# KiCad board Env-KB60F.kicad_pcb
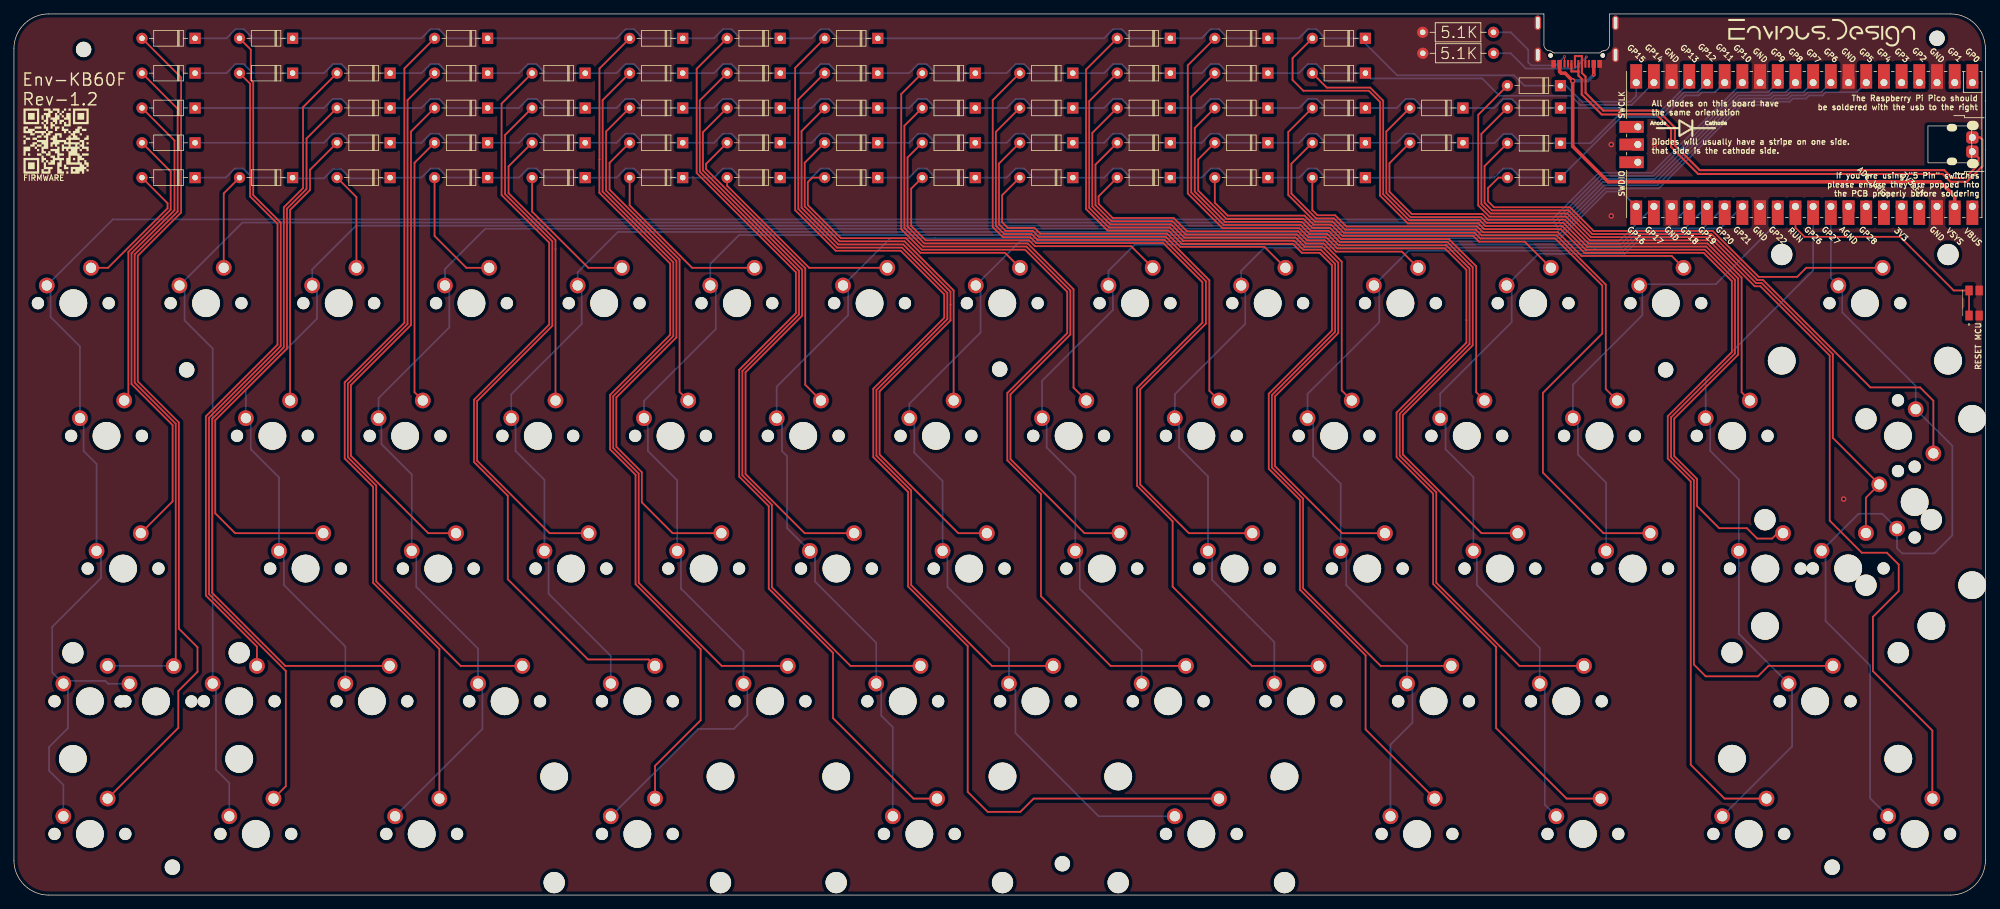
[diagram p0: board, top side]
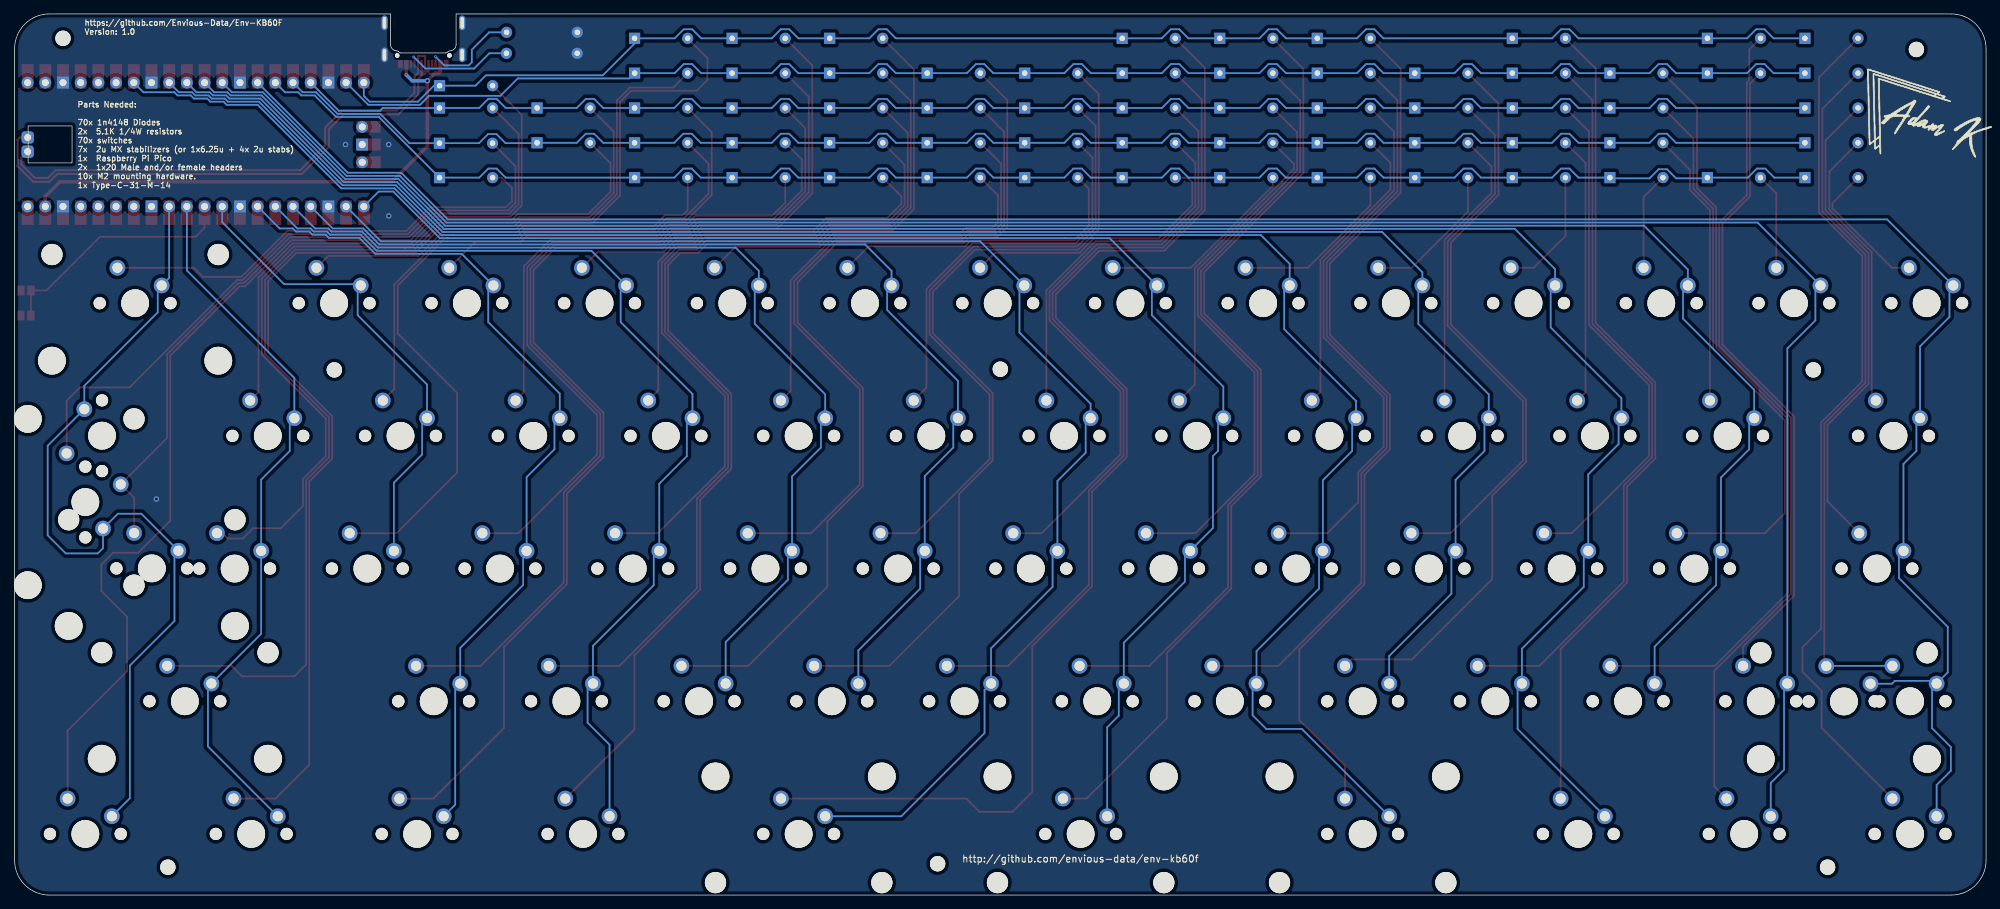
[diagram p1: board, bottom side, seen from below]

Outline 283 x 126.5 mm; copper layers: Top, Bottom. Coordinates in mm from the lower left corner of the outline.
Outline path: rectangle 274.75,110.42 281.05,105.12 ; 219.62,126.5 5,126.5 arc(1.46,125.04) 0,121.5 0,5 arc(1.46,1.46) 5,0 278,0 arc(281.54,1.46) 283,5 283,121.5 arc(281.54,125.04) 278,126.5 229.03,126.5
Stack: Top 0.035mm / dielectric 1.51mm FR4 er 4.5 / Bottom 0.035mm

## Placement (name value [footprint] x y rotation side)
5.1K1  5.1K 0402 Resistor  [R_Axial_DIN0207_L6.3mm_D2.5mm_P10.16mm_Horizontal]  212.4 120.85 180 top
5.1K2  5.1K 0402 Resistor  [R_Axial_DIN0207_L6.3mm_D2.5mm_P10.16mm_Horizontal]  202.22 123.86 0 top
D_1  D  [D_DO-35_SOD27_P7.62mm_Horizontal]  26 103 180 top
D_2  D  [D_DO-35_SOD27_P7.62mm_Horizontal]  40 103 180 top
D_3  D  [D_DO-35_SOD27_P7.62mm_Horizontal]  54 103 180 top
D_4  D  [D_DO-35_SOD27_P7.62mm_Horizontal]  68 103 180 top
D_5  D  [D_DO-35_SOD27_P7.62mm_Horizontal]  82 103 180 top
D_6  D  [D_DO-35_SOD27_P7.62mm_Horizontal]  96 103 180 top
D_7  D  [D_DO-35_SOD27_P7.62mm_Horizontal]  110 103 180 top
D_8  D  [D_DO-35_SOD27_P7.62mm_Horizontal]  124 103 180 top
D_9  D  [D_DO-35_SOD27_P7.62mm_Horizontal]  138 103 180 top
D_10  D  [D_DO-35_SOD27_P7.62mm_Horizontal]  152 103 180 top
D_11  D  [D_DO-35_SOD27_P7.62mm_Horizontal]  166 103 180 top
D_12  D  [D_DO-35_SOD27_P7.62mm_Horizontal]  180 103 180 top
D_13  D  [D_DO-35_SOD27_P7.62mm_Horizontal]  194 103 180 top
D_14  D  [D_DO-35_SOD27_P7.62mm_Horizontal]  222 103 180 top
D_15  D  [D_DO-35_SOD27_P7.62mm_Horizontal]  26 108 180 top
D_16  D  [D_DO-35_SOD27_P7.62mm_Horizontal]  54 108 180 top
D_17  D  [D_DO-35_SOD27_P7.62mm_Horizontal]  68 108 180 top
D_18  D  [D_DO-35_SOD27_P7.62mm_Horizontal]  82 108 180 top
D_19  D  [D_DO-35_SOD27_P7.62mm_Horizontal]  96 108 180 top
D_20  D  [D_DO-35_SOD27_P7.62mm_Horizontal]  110 108 180 top
D_21  D  [D_DO-35_SOD27_P7.62mm_Horizontal]  124 108 180 top
D_22  D  [D_DO-35_SOD27_P7.62mm_Horizontal]  138 108 180 top
D_23  D  [D_DO-35_SOD27_P7.62mm_Horizontal]  152 108 180 top
D_24  D  [D_DO-35_SOD27_P7.62mm_Horizontal]  166 108 180 top
D_25  D  [D_DO-35_SOD27_P7.62mm_Horizontal]  180 108 180 top
D_26  D  [D_DO-35_SOD27_P7.62mm_Horizontal]  194 108 180 top
D_27  D  [D_DO-35_SOD27_P7.62mm_Horizontal]  208 108 180 top
D_28  D  [D_DO-35_SOD27_P7.62mm_Horizontal]  222.01 107.94 180 top
D_29  D  [D_DO-35_SOD27_P7.62mm_Horizontal]  26 113 180 top
D_30  D  [D_DO-35_SOD27_P7.62mm_Horizontal]  54 113 180 top
D_31  D  [D_DO-35_SOD27_P7.62mm_Horizontal]  68 113 180 top
D_32  D  [D_DO-35_SOD27_P7.62mm_Horizontal]  82 113 180 top
D_33  D  [D_DO-35_SOD27_P7.62mm_Horizontal]  96 113 180 top
D_34  D  [D_DO-35_SOD27_P7.62mm_Horizontal]  110 113 180 top
D_35  D  [D_DO-35_SOD27_P7.62mm_Horizontal]  124 113 180 top
D_36  D  [D_DO-35_SOD27_P7.62mm_Horizontal]  138 113 180 top
D_37  D  [D_DO-35_SOD27_P7.62mm_Horizontal]  152 113 180 top
D_38  D  [D_DO-35_SOD27_P7.62mm_Horizontal]  166 113 180 top
D_39  D  [D_DO-35_SOD27_P7.62mm_Horizontal]  180 113 180 top
D_40  D  [D_DO-35_SOD27_P7.62mm_Horizontal]  194 113 180 top
D_41  D  [D_DO-35_SOD27_P7.62mm_Horizontal]  208 113 180 top
D_42  D  [D_DO-35_SOD27_P7.62mm_Horizontal]  222 113 180 top
D_43  D  [D_DO-35_SOD27_P7.62mm_Horizontal]  26 118 180 top
D_44  D  [D_DO-35_SOD27_P7.62mm_Horizontal]  40 118 180 top
D_45  D  [D_DO-35_SOD27_P7.62mm_Horizontal]  54 118 180 top
D_46  D  [D_DO-35_SOD27_P7.62mm_Horizontal]  68 118 180 top
D_47  D  [D_DO-35_SOD27_P7.62mm_Horizontal]  82 118 180 top
D_48  D  [D_DO-35_SOD27_P7.62mm_Horizontal]  96 118 180 top
D_49  D  [D_DO-35_SOD27_P7.62mm_Horizontal]  110 118 180 top
D_50  D  [D_DO-35_SOD27_P7.62mm_Horizontal]  124 118 180 top
D_51  D  [D_DO-35_SOD27_P7.62mm_Horizontal]  138 118 180 top
D_52  D  [D_DO-35_SOD27_P7.62mm_Horizontal]  152 118 180 top
D_53  D  [D_DO-35_SOD27_P7.62mm_Horizontal]  166 118 180 top
D_54  D  [D_DO-35_SOD27_P7.62mm_Horizontal]  180 118 180 top
D_55  D  [D_DO-35_SOD27_P7.62mm_Horizontal]  194 118 180 top
D_56  D  [D_DO-35_SOD27_P7.62mm_Horizontal]  26 123 180 top
D_57  D  [D_DO-35_SOD27_P7.62mm_Horizontal]  40 123 180 top
D_58  D  [D_DO-35_SOD27_P7.62mm_Horizontal]  68 123 180 top
D_59  D  [D_DO-35_SOD27_P7.62mm_Horizontal]  110 123 180 top
D_60  D  [D_DO-35_SOD27_P7.62mm_Horizontal]  166 123 180 top
D_61  D  [D_DO-35_SOD27_P7.62mm_Horizontal]  180 123 180 top
D_62  D  [D_DO-35_SOD27_P7.62mm_Horizontal]  194 123 180 top
D_63  D  [D_DO-35_SOD27_P7.62mm_Horizontal]  222 116.2 180 top
D_590  D  [D_DO-35_SOD27_P7.62mm_Horizontal]  96 122.99 180 top
D_591  D  [D_DO-35_SOD27_P7.62mm_Horizontal]  124 122.99 180 top
G***  LOGO  [diode]  240 110.1 0 top
G***#2  LOGO  [firmware-qrcode]  6.05 108.25 0 top
G***#3  LOGO  [logo]  7.98 112 180 bottom
H1  MountingHole  [MountingHole_2.2mm_M2-MODIFIED]  150.5 4.5 0 top
H2  MountingHole  [MountingHole_2.2mm_M2-MODIFIED]  22.75 4 0 top
H3  MountingHole  [MountingHole_2.2mm_M2-MODIFIED]  10 121.4 0 top
H4  MountingHole  [MountingHole_2.2mm_M2-MODIFIED]  24.8 75.4 0 top
H6  MountingHole  [MountingHole_2.2mm_M2-MODIFIED]  261 4 0 top
H9  MountingHole  [MountingHole_2.2mm_M2-MODIFIED]  141.5 75.5 0 top
H10  MountingHole  [MountingHole_2.2mm_M2-MODIFIED]  237.1 75.4 0 top
H11  MountingHole  [MountingHole_2.2mm_M2-MODIFIED]  276.05 123 0 top
K_1  KEYSW  [MXOnly-1U-NoLED]  8.53 84.97 0 top
K_2  KEYSW  [MXOnly-1U-NoLED]  27.58 84.97 0 top
K_3  KEYSW  [MXOnly-1U-NoLED]  46.62 84.97 0 top
K_4  KEYSW  [MXOnly-1U-NoLED]  65.68 84.97 0 top
K_5  KEYSW  [MXOnly-1U-NoLED]  84.72 84.97 0 top
K_6  KEYSW  [MXOnly-1U-NoLED]  103.78 84.97 0 top
K_7  KEYSW  [MXOnly-1U-NoLED]  122.82 84.97 0 top
K_8  KEYSW  [MXOnly-1U-NoLED]  141.88 84.97 0 top
K_9  KEYSW  [MXOnly-1U-NoLED]  160.93 84.97 0 top
K_10  KEYSW  [MXOnly-1U-NoLED]  179.98 84.97 0 top
K_11  KEYSW  [MXOnly-1U-NoLED]  199.02 84.97 0 top
K_12  KEYSW  [MXOnly-1U-NoLED]  218.07 84.97 0 top
K_13  KEYSW  [MXOnly-1U-NoLED]  237.12 84.97 0 top
K_14  KEYSW  [MXOnly-1U-NoLED]  265.7 84.97 0 top
K_15  KEYSW  [MXOnly-1U-NoLED]  13.29 65.92 0 top
K_16  KEYSW  [MXOnly-1U-NoLED]  37.1 65.92 0 top
K_17  KEYSW  [MXOnly-1U-NoLED]  56.15 65.92 0 top
K_18  KEYSW  [MXOnly-1U-NoLED]  75.2 65.92 0 top
K_19  KEYSW  [MXOnly-1U-NoLED]  94.25 65.92 0 top
K_20  KEYSW  [MXOnly-1U-NoLED]  113.3 65.92 0 top
K_21  KEYSW  [MXOnly-1U-NoLED]  132.35 65.92 0 top
K_22  KEYSW  [MXOnly-1U-NoLED]  151.4 65.92 0 top
K_23  KEYSW  [MXOnly-1U-NoLED]  170.45 65.92 0 top
K_24  KEYSW  [MXOnly-1U-NoLED]  189.5 65.92 0 top
K_25  KEYSW  [MXOnly-1U-NoLED]  208.55 65.92 0 top
K_26  KEYSW  [MXOnly-1U-NoLED]  227.6 65.92 0 top
K_27  KEYSW  [MXOnly-1U-NoLED]  246.65 65.92 0 top
K_28  KEYSW  [MXOnly-1U-NoLED]  270.45 65.95 270 top
K_29  KEYSW  [MXOnly-1U-NoLED]  263.3 46.9 0 top
K_30  KEYSW  [MXOnly-1U-NoLED]  15.67 46.88 0 top
K_31  KEYSW  [MXOnly-1U-NoLED]  41.86 46.88 0 top
K_32  KEYSW  [MXOnly-1U-NoLED]  60.91 46.88 0 top
K_33  KEYSW  [MXOnly-1U-NoLED]  79.96 46.88 0 top
K_34  KEYSW  [MXOnly-1U-NoLED]  99.01 46.88 0 top
K_35  KEYSW  [MXOnly-1U-NoLED]  118.06 46.88 0 top
K_36  KEYSW  [MXOnly-1U-NoLED]  137.11 46.88 0 top
K_37  KEYSW  [MXOnly-1U-NoLED]  156.16 46.88 0 top
K_38  KEYSW  [MXOnly-1U-NoLED]  175.21 46.88 0 top
K_39  KEYSW  [MXOnly-1U-NoLED]  194.26 46.88 0 top
K_40  KEYSW  [MXOnly-1U-NoLED]  213.31 46.88 0 top
K_41  KEYSW  [MXOnly-1U-NoLED]  232.36 46.88 0 top
K_42  KEYSW  [MXOnly-1U-NoLED]  251.41 46.88 0 top
K_43  KEYSW  [MXOnly-1U-NoLED]  272.84 56.42 90 top
K_44  KEYSW  [MXOnly-1U-NoLED]  20.4 27.8 0 top
K_45  KEYSW  [MXOnly-1U-NoLED]  10.91 27.82 0 top
K_46  KEYSW  [MXOnly-1U-NoLED]  32.34 27.82 0 top
K_47  KEYSW  [MXOnly-1U-NoLED]  51.39 27.82 0 top
K_48  KEYSW  [MXOnly-1U-NoLED]  70.44 27.82 0 top
K_49  KEYSW  [MXOnly-1U-NoLED]  89.49 27.82 0 top
K_50  KEYSW  [MXOnly-1U-NoLED]  108.54 27.82 0 top
K_51  KEYSW  [MXOnly-1U-NoLED]  127.59 27.82 0 top
K_52  KEYSW  [MXOnly-1U-NoLED]  146.64 27.82 0 top
K_53  KEYSW  [MXOnly-1U-NoLED]  165.69 27.82 0 top
K_54  KEYSW  [MXOnly-1U-NoLED]  184.74 27.82 0 top
K_55  KEYSW  [MXOnly-1U-NoLED]  203.79 27.82 0 top
K_56  KEYSW  [MXOnly-1U-NoLED]  222.84 27.82 0 top
K_57  KEYSW  [MXOnly-1U-NoLED]  258.56 27.82 0 top
K_58  KEYSW  [MXOnly-1U-NoLED]  10.91 8.78 0 top
K_59  KEYSW  [MXOnly-1U-NoLED]  34.72 8.78 0 top
K_60  KEYSW  [MXOnly-1U-NoLED]  58.53 8.78 0 top
K_61  KEYSW  [MXOnly-1U-NoLED]  129.97 8.78 0 top
K_62  KEYSW  [MXOnly-1U-NoLED]  201.41 8.78 0 top
K_63  KEYSW  [MXOnly-1U-NoLED]  225.22 8.78 0 top
K_64  KEYSW  [MXOnly-1U-NoLED]  249.03 8.78 0 top
K_65  KEYSW  [MXOnly-1U-NoLED]  272.84 8.78 0 top
K_610  KEYSW  [MXOnly-1U-NoLED]  89.49 8.78 0 top
K_612  KEYSW  [MXOnly-1U-NoLED]  170.45 8.78 0 top
kibuzzard-627518B3  G***  [kibuzzard-627518B3]  259.5 123.8 0 top
stab1  MX Stabilizer  [Stabilizer_Cherry_MX_2u]  89.49 8.78 180 top
stab2  MX Stabilizer  [Stabilizer_Cherry_MX_2u]  265.7 84.97 0 top
stab3  MX Stabilizer  [Stabilizer_Cherry_MX_2u]  20.4 27.8 0 top
stab4  MX Stabilizer  [Stabilizer_Cherry_MX_2u]  272.84 56.42 90 top
stab5  MX Stabilizer  [Stabilizer_Cherry_MX_2u]  263.3 46.9 0 top
stab6  MX Stabilizer  [Stabilizer_Cherry_MX_2u]  129.97 8.78 180 top
stab7  MX Stabilizer  [Stabilizer_Cherry_MX_2u]  170.45 8.78 180 top
stab8  MX Stabilizer  [Stabilizer_Cherry_MX_2u]  258.56 27.82 0 top
SW1  EVQ-P7A01P  [Panasonic-EVQ-P7A01P-0-0-MFG]  281.7 85 90 top
U1  Pico  [RPi_Pico_SMD_TH_MODIFIED]  257 107.75 270 top
USB1  HRO-TYPE-C-31-M-14  [USB_C_TYPE-C-31-M-14]  224.32 122.2 180 top

## Library data of the parts
USB1 = -: LCSC: C319148; MPN: U262-161N-4BVC11; Manufacturer: XKB Enterprise

## Footprints (pads in the part's own frame, mm; a bottom-side part is the same pattern mirrored in y, then rotated)
D_DO-35_SOD27_P7.62mm_Horizontal
  rect 1.6x1.6 hole 0.8: 1(0,0)
  oval 1.6x1.6 hole 0.8: 2(7.62,0)
MountingHole_2.2mm_M2-MODIFIED
  round 2.2 hole 2.2 unplated: (0,0)
MXOnly-1U-NoLED
  round 1.75 hole 1.75 unplated: (-5.08,0) (5.08,0)
  round 3.988 hole 3.988 unplated: (0,0)
  round 2.25 hole 1.47: 1(-3.81,2.54) 2(2.54,5.08)
Panasonic-EVQ-P7A01P-0-0-MFG
  rect 1.4x1.05 smd: 1(-1.8,1.05) 1'(1.8,1.05) 2(-1.8,-0.4) 2'(1.8,-0.4)
R_Axial_DIN0207_L6.3mm_D2.5mm_P10.16mm_Horizontal
  round 1.6 hole 0.8: 1(0,0)
  oval 1.6x1.6 hole 0.8: 2(10.16,0)
RPi_Pico_SMD_TH_MODIFIED
  oval 1.35x1.7 smd: (-2.73,24.19) (2.73,24.19)
  oval 1.1x1.5 smd: (-2.42,21.19) (2.42,21.19)
  oval 1.7x1.7 hole 1.02: 1(-8.89,24.13) 2(-8.89,21.59) 4(-8.89,16.51) 5(-8.89,13.97) 6(-8.89,11.43) 7(-8.89,8.89) 9(-8.89,3.81) 10(-8.89,1.27) 11(-8.89,-1.27) 12(-8.89,-3.81) 14(-8.89,-8.89) 15(-8.89,-11.43) 16(-8.89,-13.97) 17(-8.89,-16.51) 19(-8.89,-21.59) 20(-8.89,-24.13) 21(8.89,-24.13) 22(8.89,-21.59) 24(8.89,-16.51) 25(8.89,-13.97) 26(8.89,-11.43) 27(8.89,-8.89) 29(8.89,-3.81) 30(8.89,-1.27) 31(8.89,1.27) 32(8.89,3.81) 34(8.89,8.89) 35(8.89,11.43) 36(8.89,13.97) 37(8.89,16.51) 39(8.89,21.59) 40(8.89,24.13) 41(-2.54,-23.9) 43(2.54,-23.9)
  rect 3.5x1.7 smd: 1(-8.89,24.13) 2(-8.89,21.59) 3(-8.89,19.05) 4(-8.89,16.51) 5(-8.89,13.97) 6(-8.89,11.43) 7(-8.89,8.89) 8(-8.89,6.35) 9(-8.89,3.81) 10(-8.89,1.27) 11(-8.89,-1.27) 12(-8.89,-3.81) 13(-8.89,-6.35) 14(-8.89,-8.89) 15(-8.89,-11.43) 16(-8.89,-13.97) 17(-8.89,-16.51) 18(-8.89,-19.05) 19(-8.89,-21.59) 20(-8.89,-24.13) 21(8.89,-24.13) 22(8.89,-21.59) 23(8.89,-19.05) 24(8.89,-16.51) 25(8.89,-13.97) 26(8.89,-11.43) 27(8.89,-8.89) 28(8.89,-6.35) 29(8.89,-3.81) 30(8.89,-1.27) 31(8.89,1.27) 32(8.89,3.81) 33(8.89,6.35) 34(8.89,8.89) 35(8.89,11.43) 36(8.89,13.97) 37(8.89,16.51) 38(8.89,19.05) 39(8.89,21.59) 40(8.89,24.13)
  rect 1.7x1.7 hole 1.02: 3(-8.89,19.05) 8(-8.89,6.35) 13(-8.89,-6.35) 18(-8.89,-19.05) 23(8.89,-19.05) 28(8.89,-6.35) 33(8.89,6.35) 38(8.89,19.05) 42(0,-23.9)
  rect 1.7x3.5 smd: 41(-2.54,-23.9) 42(0,-23.9) 43(2.54,-23.9)
  rrect 1.75x1.75 hole 1: TP2(1.016,24.125) TP3(-1.016,24.125)
Stabilizer_Cherry_MX_2u
  round 3.048 hole 3.048 unplated: (-11.938,6.985) (11.938,6.985)
  round 3.988 hole 3.988 unplated: (-11.938,-8.255) (11.938,-8.255)
USB_C_TYPE-C-31-M-14
  oval 1.2x2.4 smd: (-5.675,1.58) (-5.675,-3.02) (5.675,1.58) (5.675,-3.02)
  round 0.65 hole 0.65 unplated: (-3.75,1.66) (3.75,1.66)
  rect 0.6x1.1 smd: A1(-3.3,2.86) A4(-2.45,2.86) A9(2.45,2.86) A12(3.3,2.86) B1(3.3,2.86) B4(2.45,2.86) B9(-2.45,2.86) B12(-3.3,2.86)
  rect 0.3x1.1 smd: A5(-1.25,2.86) A6(-0.25,2.86) A7(0.25,2.86) A8(1.25,2.86) B5(1.75,2.86) B6(0.75,2.86) B7(-0.75,2.86) B8(-1.75,2.86)
  oval 0.9x2.1 hole 0.5x1.7: S1(-5.575,1.58) S1(-5.575,-3.02) S1(5.575,1.58) S1(5.575,-3.02)

## Nets
GND: 5.1K1.2 5.1K2.1 SW1.2 SW1.2' U1.3 U1.8 U1.13 U1.18 U1.23 U1.28 U1.38 USB1.A1 USB1.A12 USB1.B1 USB1.B12 USB1.S1
VBUS: U1.39 USB1.A4 USB1.A9 USB1.B4 USB1.B9
col0: K_1.1 K_15.1 K_30.1 K_44.1 K_45.1 K_58.1 U1.14
col1: K_2.1 K_46.1 K_59.1 U1.12
col2: K_3.1 K_16.1 K_31.1 K_47.1 U1.11
col3: K_4.1 K_17.1 K_32.1 K_48.1 K_60.1 U1.10
col4: K_5.1 K_18.1 K_33.1 K_49.1 U1.9
col5: K_6.1 K_19.1 K_34.1 K_50.1 K_610.1 U1.7
col6: K_7.1 K_20.1 K_35.1 K_51.1 K_61.1 U1.21
col7: K_8.1 K_21.1 K_36.1 K_52.1 K_612.1 U1.22
col8: K_9.1 K_22.1 K_37.1 K_53.1 U1.24
col9: K_10.1 K_23.1 K_38.1 K_54.1 U1.25
col10: K_11.1 K_24.1 K_39.1 K_55.1 K_62.1 U1.26
col11: K_12.1 K_25.1 K_40.1 K_56.1 K_63.1 U1.27
col12: K_13.1 K_26.1 K_41.1 U1.29
col13: K_27.1 K_42.1 K_57.1 K_64.1 U1.31
col14: K_14.1 K_28.1 K_29.1 K_43.1 K_65.1 U1.32
row0: D_1.1 D_2.1 D_3.1 D_4.1 D_5.1 D_6.1 D_7.1 D_8.1 D_9.1 D_10.1 D_11.1 D_12.1 D_13.1 D_14.1 U1.15
row1: D_15.1 D_16.1 D_17.1 D_18.1 D_19.1 D_20.1 D_21.1 D_22.1 D_23.1 D_24.1 D_25.1 D_26.1 D_27.1 D_28.1 U1.16
row2: D_29.1 D_30.1 D_31.1 D_32.1 D_33.1 D_34.1 D_35.1 D_36.1 D_37.1 D_38.1 D_39.1 D_40.1 D_41.1 D_42.1 U1.17
row3: D_43.1 D_44.1 D_45.1 D_46.1 D_47.1 D_48.1 D_49.1 D_50.1 D_51.1 D_52.1 D_53.1 D_54.1 D_55.1 U1.19
row4: D_56.1 D_57.1 D_58.1 D_59.1 D_60.1 D_61.1 D_62.1 D_63.1 D_590.1 D_591.1 U1.20
RUNPIN: SW1.1 SW1.1' U1.30
USB2_N: U1.TP2 USB1.A7 USB1.B7
USB2_P: U1.TP3 USB1.A6 USB1.B6
Net-(5.1K1-Pad1): 5.1K1.1 USB1.A5
Net-(5.1K2-Pad2): 5.1K2.2 USB1.B5
Net-(D_1-Pad2): D_1.2 K_1.2
Net-(D_2-Pad2): D_2.2 K_2.2
Net-(D_3-Pad2): D_3.2 K_3.2
Net-(D_4-Pad2): D_4.2 K_4.2
Net-(D_5-Pad2): D_5.2 K_5.2
Net-(D_6-Pad2): D_6.2 K_6.2
Net-(D_7-Pad2): D_7.2 K_7.2
Net-(D_8-Pad2): D_8.2 K_8.2
Net-(D_9-Pad2): D_9.2 K_9.2
Net-(D_10-Pad2): D_10.2 K_10.2
Net-(D_11-Pad2): D_11.2 K_11.2
Net-(D_12-Pad2): D_12.2 K_12.2
Net-(D_13-Pad2): D_13.2 K_13.2
Net-(D_14-Pad2): D_14.2 K_14.2
Net-(D_15-Pad2): D_15.2 K_15.2
Net-(D_16-Pad2): D_16.2 K_16.2
Net-(D_17-Pad2): D_17.2 K_17.2
Net-(D_18-Pad2): D_18.2 K_18.2
Net-(D_19-Pad2): D_19.2 K_19.2
Net-(D_20-Pad2): D_20.2 K_20.2
Net-(D_21-Pad2): D_21.2 K_21.2
Net-(D_22-Pad2): D_22.2 K_22.2
Net-(D_23-Pad2): D_23.2 K_23.2
Net-(D_24-Pad2): D_24.2 K_24.2
Net-(D_25-Pad2): D_25.2 K_25.2
Net-(D_26-Pad2): D_26.2 K_26.2
Net-(D_27-Pad2): D_27.2 K_27.2
Net-(D_28-Pad2): D_28.2 K_28.2
Net-(D_29-Pad2): D_29.2 K_30.2
Net-(D_30-Pad2): D_30.2 K_31.2
Net-(D_31-Pad2): D_31.2 K_32.2
Net-(D_32-Pad2): D_32.2 K_33.2
Net-(D_33-Pad2): D_33.2 K_34.2
Net-(D_34-Pad2): D_34.2 K_35.2
Net-(D_35-Pad2): D_35.2 K_36.2
Net-(D_36-Pad2): D_36.2 K_37.2
Net-(D_37-Pad2): D_37.2 K_38.2
Net-(D_38-Pad2): D_38.2 K_39.2
Net-(D_39-Pad2): D_39.2 K_40.2
Net-(D_40-Pad2): D_40.2 K_41.2
Net-(D_41-Pad2): D_41.2 K_42.2
Net-(D_42-Pad2): D_42.2 K_29.2 K_43.2
Net-(D_43-Pad2): D_43.2 K_44.2 K_45.2
Net-(D_44-Pad2): D_44.2 K_46.2
Net-(D_45-Pad2): D_45.2 K_47.2
Net-(D_46-Pad2): D_46.2 K_48.2
Net-(D_47-Pad2): D_47.2 K_49.2
Net-(D_48-Pad2): D_48.2 K_50.2
Net-(D_49-Pad2): D_49.2 K_51.2
Net-(D_50-Pad2): D_50.2 K_52.2
Net-(D_51-Pad2): D_51.2 K_53.2
Net-(D_52-Pad2): D_52.2 K_54.2
Net-(D_53-Pad2): D_53.2 K_55.2
Net-(D_54-Pad2): D_54.2 K_56.2
Net-(D_55-Pad2): D_55.2 K_57.2
Net-(D_56-Pad2): D_56.2 K_58.2
Net-(D_57-Pad2): D_57.2 K_59.2
Net-(D_58-Pad2): D_58.2 K_60.2
Net-(D_59-Pad2): D_59.2 K_61.2
Net-(D_60-Pad2): D_60.2 K_62.2
Net-(D_61-Pad2): D_61.2 K_63.2
Net-(D_62-Pad2): D_62.2 K_64.2
Net-(D_63-Pad2): D_63.2 K_65.2
Net-(D_590-Pad2): D_590.2 K_610.2
Net-(D_591-Pad2): D_591.2 K_612.2

Pads without a net: U1 1 2 4 5 6 33 34 35 36 37 40 41 42 43; USB1 A8 B8

## Via types
v1: diameter 0.8, hole 0.4, Top to Bottom, 5 vias
v2: diameter 0.4, hole 0.2, Top to Bottom, 3 vias

## Routing (per net, layer and track width the routed paths; a pad name or vN(x,y) marks a point on that pad's centre or on a via; arc(x,y) is an arc through that point)
GND:
  vias: v1(229.3,107.75) v1(229.3,97.5) v1(235.5,107.75) v1(262.65,56.85)
VBUS: length 77.2
  Top w0.5: v2(226.79,117.77) 226.77,117.78 USB1.A4 ; USB1.A9 221.88,118.22 222.12,117.98 222.67,117.98 v1(223.75,116.9) 223.75,107.5 228.85,102.4 276.5,102.4 278.59,100.31 U1.39
  Bottom w0.5: v2(226.79,117.77) 225.92,116.9 v1(223.75,116.9)
col0: length 346.6
  Bottom w0.25: K_15.1 9.48,78.77 5.25,83 5.25,86.98 ; 12.5,48.77 12.5,45.5 5.5,38.5 5.5,31.96 7.1,30.37 ; K_30.1 11.86,61.89 10,63.75 10,67.94 ; K_58.1 7.1,15.8 5.05,17.85 5.05,21.25 7.75,23.95 7.75,29.71 ; U1.14 235.17,103.7 227.5,103.7 220.8,97 14.2,97 K_1.1 ; 7.48,30.75 13.1,30.75 13.51,30.34 K_44.1
col1: length 320
  Bottom w0.25: K_59.1 30.91,16.09 29,18 29,29.89 ; 28.53,30.37 28.53,78.47 24.5,82.5 24.5,86.78 K_2.1 32.8,96.55 221,96.55 227.7,103.25 235.36,103.25 247.36,115.25 251.8,115.25 U1.12
col2: length 292
  Bottom w0.25: K_3.1 42.81,89.81 49.1,96.1 221.19,96.1 227.89,102.8 235.54,102.8 247.54,114.8 251.99,114.8 252.44,115.25 254.34,115.25 U1.11 ; K_31.1 38.05,59.95 34,64 34,67.75 K_16.1 33.29,72.54 43.5,82.75 43.5,86.83 ; 47.58,30.37 47.58,35.67 38.75,44.5 38.75,48.72
col3: length 298.6
  Bottom w0.25: 57.75,48.77 57.75,44.25 66.63,35.37 66.63,30.37 ; K_32.1 57.1,60.4 52.75,64.75 52.75,68.06 ; K_4.1 61.87,89.86 67.65,95.65 221.38,95.65 228.08,102.35 235.73,102.35 247.73,114.35 252.17,114.35 252.62,114.8 254.53,114.8 254.98,115.25 256.88,115.25 U1.10 ; 67.25,29.74 67.25,23.84 K_60.1 ; K_17.1 52.34,71.34 62.5,81.5 62.5,86.88
col4: length 258
  Bottom w0.25: K_33.1 76.15,59.6 72,63.75 72,67.86 ; 81.5,86.93 81.5,82 71.39,71.89 K_18.1 ; K_5.1 80.91,89.42 86.7,95.2 221.57,95.2 228.27,101.9 235.92,101.9 247.92,113.9 252.36,113.9 252.81,114.35 254.71,114.35 255.16,114.8 257.07,114.8 257.52,115.25 259.42,115.25 U1.9 ; 85.68,30.37 85.68,34.32 76.75,43.25 76.75,48.82
col5: length 275.5
  Bottom w0.25: K_34.1 95.2,59.55 91,63.75 91,67.91 ; 105.29,29.81 105.29,25.82 103.32,23.85 98.21,23.85 K_610.1 ; 95.75,48.87 95.75,44 104.73,35.02 104.73,30.37 ; K_19.1 90.44,70.94 100.75,81.25 100.75,86.73 K_6.1 99.97,90.61 104.1,94.75 221.75,94.75 228.45,101.45 236.1,101.45 248.1,113.45 252.55,113.45 253,113.9 254.9,113.9 255.35,114.35 257.25,114.35 257.7,114.8 259.61,114.8 260.06,115.25 264.5,115.25 U1.7
col6: length 208
  Bottom w0.25: K_61.1 126.16,24.09 124.5,25.75 124.5,29.64 123.78,30.37 123.78,36.22 115,45 115,48.67 K_35.1 110.98,52.69 110.98,63.02 110.25,63.75 110.25,67.7 K_20.1 109.49,72.99 119.75,83.25 119.75,86.78 K_7.1 125.8,94.3 132.2,94.3 220.8,94.3 221.94,94.3 228.64,101 230.73,101 U1.21
col7: length 203
  Bottom w0.25: U1.22 230.4,93.85 144.4,93.85 K_8.1 ; 138.75,86.83 138.75,80.75 128.54,70.54 K_21.1 129.25,67.75 129.25,63.5 133.3,59.45 K_36.1 ; K_612.1 155.71,11.31 143.77,23.25 143.77,29.43 142.83,30.37 142.83,35.42 134,44.25 134,48.72
col8: length 154.1
  Bottom w0.25: 153,48.77 153,44 161.88,35.12 161.88,30.37 ; U1.24 237.33,95.7 232.95,95.7 230.65,93.4 224.55,93.4 160.9,93.4 157.12,89.62 K_9.1 ; K_37.1 152.35,60.15 148.25,64.25 148.25,67.81 ; K_22.1 147.59,73.84 157.75,84 157.75,86.88
col9: length 137.8
  Bottom w0.25: U1.25 239.87,95.7 237.97,95.7 237.52,95.25 233.14,95.25 230.84,92.95 226.95,92.95 179.5,92.95 176.16,89.62 176.16,87.52 ; 180.93,30.37 180.93,36.32 172,45.25 172,48.82 ; K_23.1 166.64,71.89 176.75,82 176.75,86.93 ; 167.25,67.86 167.25,64.25 171.4,60.1 K_38.1
col10: length 143.4
  Bottom w0.25: U1.26 242.41,95.7 240.51,95.7 240.06,95.25 238.15,95.25 237.7,94.8 233.32,94.8 231.02,92.5 200.2,92.5 K_11.1 196,86.73 196,82.25 185.69,71.94 K_24.1 186.5,67.66 186.5,63 190.45,59.05 K_39.1 191.25,48.62 191.25,44.5 199.98,35.77 199.98,30.37 200.75,29.59 200.75,24.75 197.6,21.6 K_62.1
col11: length 125.5
  Bottom w0.25: 210,48.92 210,44.5 219.03,35.47 219.03,30.37 219.75,29.64 219.75,12.97 K_63.1 ; K_40.1 209.5,60 205.5,64 205.5,67.7 K_25.1 204.74,71.99 215,82.25 215,86.78 K_12.1 218.8,92.05 231.21,92.05 233.51,94.35 237.89,94.35 238.34,94.8 240.24,94.8 240.69,95.25 242.6,95.25 243.05,95.7 244.95,95.7 U1.27
col12: length 69.4
  Bottom w0.25: 233.75,87.08 233.75,83.25 223.79,73.29 K_26.1 224.5,67.75 224.5,63.25 228.55,59.2 K_41.1 ; U1.29 253.19,96.59 244.3,87.7 233.5,87.7
col13: length 101.6
  Bottom w0.25: 254.75,30.37 247.6,37.51 K_42.1 247.6,59.65 243.5,63.75 243.5,67.81 ; K_27.1 242.84,74.24 258.27,89.67 U1.31 ; 255.25,29.86 255.25,21.34 K_64.1
col14: length 121.5
  Bottom w0.25: 261.89,87.21 262.45,86.65 262.45,83.65 272.99,73.11 K_28.1 278.25,64.5 278.25,51.65 275.65,49.05 271.05,49.05 270.3,49.8 K_43.1 268.17,54.75 264.8,54.75 K_29.1 ; U1.32 260.81,88.59 K_14.1 ; 260.05,48.88 260.05,39.35 266.45,32.95 266.45,13.9 K_65.1
row0: length 239.2
  Bottom w0.25: 25.9,103 30.4,103 31.7,104.3 32.9,104.3 34.2,103 39.9,103 ; 40,102.9 44.5,102.9 45.8,104.2 47,104.2 48.3,102.9 54,102.9 ; U1.15 244.18,115.25 242.28,115.25 241.83,114.8 239.92,114.8 236.82,111.7 236,111.7 230.7,111.7 D_14.1 216.3,103 215,104.3 213.8,104.3 212.5,103 D_13.1 188.3,103 187,104.3 185.8,104.3 184.5,103 D_12.1 174.3,103 173,104.3 171.8,104.3 170.5,103 D_11.1 160.3,103 159,104.3 157.8,104.3 156.5,103 D_10.1 146.3,103 145,104.3 143.8,104.3 142.5,103 D_9.1 132.3,103 131,104.3 129.8,104.3 128.5,103 D_8.1 118.3,103 117,104.3 115.8,104.3 114.5,103 D_7.1 104.3,103 103,104.3 101.8,104.3 100.5,103 D_6.1 90.3,103 89,104.3 87.8,104.3 86.5,103 D_5.1 76.3,103 75,104.3 73.8,104.3 72.5,103 D_4.1 62.3,103 61,104.3 59.8,104.3 58.5,103 D_3.1
row1: length 234.6
  Bottom w0.25: D_27.1 202.3,108 201,109.3 199.8,109.3 198.5,108 D_26.1 188.3,108 187,109.3 185.8,109.3 184.5,108 D_25.1 174.3,108 173,109.3 171.8,109.3 170.5,108 D_24.1 160.3,108 159,109.3 157.8,109.3 156.5,108 D_23.1 146.3,108 145,109.3 143.8,109.3 142.5,108 D_22.1 132.3,108 131,109.3 129.8,109.3 128.5,108 D_21.1 118.3,108 117,109.3 115.8,109.3 114.5,108 D_20.1 104.3,108 103,109.3 101.8,109.3 100.5,108 D_19.1 90.3,108 89,109.3 87.8,109.3 86.5,108 D_18.1 76.3,108 75,109.3 73.8,109.3 72.5,108 D_17.1 62.3,108 61,109.3 59.8,109.3 58.5,108 D_16.1 48.3,108 47,109.3 45.8,109.3 44.5,108 D_15.1 ; 208.02,107.95 212.52,107.95 213.82,109.25 215.02,109.25 216.32,107.95 222.02,107.95 ; U1.16 241.64,115.25 239.74,115.25 236.64,112.15 230.51,112.15 226.3,107.94 D_28.1
row2: length 230.3
  Bottom w0.25: D_29.1 44.5,113 45.8,114.3 47,114.3 48.3,113 D_30.1 58.5,113 59.8,114.3 61,114.3 62.3,113 D_31.1 72.5,113 73.8,114.3 75,114.3 76.3,113 D_32.1 86.5,113 87.8,114.3 89,114.3 90.3,113 D_33.1 100.5,113 101.8,114.3 103,114.3 104.3,113 D_34.1 114.5,113 115.8,114.3 117,114.3 118.3,113 D_35.1 128.5,113 129.8,114.3 131,114.3 132.3,113 D_36.1 142.5,113 143.8,114.3 145,114.3 146.3,113 D_37.1 156.5,113 157.8,114.3 159,114.3 160.3,113 D_38.1 170.5,113 171.8,114.3 173,114.3 174.3,113 D_39.1 184.5,113 185.8,114.3 187,114.3 188.3,113 D_40.1 198.5,113 199.8,114.3 201,114.3 202.3,113 D_41.1 212.5,113 213.8,114.3 215,114.3 216.3,113 D_42.1 230.15,113 230.55,112.6 236.45,112.6 U1.17
row3: length 225.5
  Bottom w0.25: D_43.1 30.5,118 31.8,119.3 33,119.3 34.3,118 D_44.1 44.5,118 45.8,119.3 47,119.3 48.3,118 D_45.1 58.5,118 59.8,119.3 61,119.3 62.3,118 D_46.1 72.5,118 73.8,119.3 75,119.3 76.3,118 D_47.1 86.5,118 87.8,119.3 89,119.3 90.3,118 D_48.1 100.5,118 101.8,119.3 103,119.3 104.3,118 D_49.1 114.5,118 115.8,119.3 117,119.3 118.3,118 D_50.1 128.5,118 129.8,119.3 131,119.3 132.3,118 D_51.1 142.5,118 143.8,119.3 145,119.3 146.3,118 D_52.1 156.5,118 157.8,119.3 159,119.3 160.3,118 D_53.1 170.5,118 171.8,119.3 173,119.3 174.3,118 D_54.1 184.44,118 185.74,119.3 186.94,119.3 188.24,118 D_55.1 194.76,117.24 210.76,117.24 213.25,114.75 223.5,114.75 224.8,113.45 232.22,113.45 U1.19
row4: length 221.9
  Bottom w0.25: U1.20 232.87,114.74 232.03,113.9 225.1,113.9 222.8,116.2 D_63.1 216.82,116.2 215.33,117.69 198.55,117.69 194,122.24 D_62.1 188.24,123 186.94,124.3 185.74,124.3 184.44,123 D_61.1 174.3,123 173,124.3 171.8,124.3 170.5,123 D_60.1 160.3,123 159,124.3 157.8,124.3 156.5,123 118.31,123 117.01,124.3 115.81,124.3 114.51,123 D_59.1 104.3,123 103,124.3 101.8,124.3 100.5,123 96,123 ; D_56.1 30.5,123 31.8,124.3 33,124.3 34.3,123 D_57.1 58.5,123 59.8,124.3 61,124.3 62.3,123 D_58.1 86.5,123 87.8,124.3 89,124.3 90.3,123 95.99,123
RUNPIN: length 33.2
  Top w0.25: 255.73,96.77 255.73,95.8 257.02,94.5 270.75,94.5 278.45,86.8 SW1.1' SW1.1
USB2_N: length 73.6
  Top w0.3: U1.TP2 282,105.86 282,104.86 280.09,102.95 278.21,102.95 277.09,104.08 241.99,104.08 238.43,107.64 238.43,110.19 235.99,112.62 228.14,112.62 225.6,115.16 225.6,117.51 225.07,118.03 USB1.B7 225.07,120.45 224.07,120.45 USB1.A7
USB2_P: length 77.2
  Top w0.3: 224.57,118.17 USB1.A6 ; 224.57,118.17 224.57,118.25 223.57,118.25 USB1.B6 ; 224.57,118.17 224.57,117.65 225.05,117.17 225.05,114.94 227.91,112.08 235.76,112.08 237.88,109.96 237.88,107.41 241.76,103.53 276.86,103.53 277.99,102.4 280.31,102.4 282.55,104.64 282.55,108.45 282.23,108.77 U1.TP3
Net-(5.1K1-Pad1): length 15.9
  Top w0.15: USB1.A5 225.57,120.09 225.7,120.21 v2(225.7,120.33)
  Bottom w0.25: v2(225.7,120.33) 224.04,118.66 217.04,118.66 214.85,120.85 5.1K1.1
Net-(5.1K2-Pad2): length 14.8
  Top w0.15: v2(222.58,120.36) 222.57,120.35 USB1.B5
  Bottom w0.25: 5.1K2.2 214.87,123.86 217.37,121.36 217.37,119.54 217.8,119.11 221.33,119.11 v2(222.58,120.36)
Net-(D_1-Pad2): length 20.4
  Top w0.25: 11.06,90.06 13.51,90.06 22.05,98.6 22.05,99.33 D_1.2
Net-(D_2-Pad2): length 13.9
  Top w0.25: D_2.2 30.11,100.73 30.11,90.06
Net-(D_3-Pad2): length 14.1
  Top w0.25: 49.17,90.06 49.17,100.22 D_3.2
Net-(D_4-Pad2): length 18.1
  Top w0.25: 68.22,90.06 64.94,90.06 60.38,94.62 D_4.2
Net-(D_5-Pad2): length 21.1
  Top w0.25: 87.26,90.06 82.44,90.06 74.38,98.12 D_5.2
Net-(D_6-Pad2): length 25.6
  Top w0.25: 106.31,90.06 97.35,90.06 88.38,99.03 D_6.2
Net-(D_7-Pad2): length 29
  Top w0.25: D_7.2 102.38,101.83 114.15,90.06 125.37,90.06
Net-(D_8-Pad2): length 40.2
  Top w0.25: D_8.2 114.6,103 113.96,102.36 113.96,99.05 118.71,94.3 128.03,94.3 130.13,92.2 142.27,92.2 144.41,90.06
Net-(D_9-Pad2): length 44.7
  Top w0.25: 163.47,90.06 160.37,93.15 146.56,93.15 145.71,94 130.87,94 128.8,96.08 128.8,101.42 D_9.2
Net-(D_10-Pad2): length 50.8
  Top w0.25: 182.51,90.06 179.52,93.05 167.44,93.05 165.55,94.95 147.32,94.95 146.47,95.8 142.65,95.8 141.85,96.6 141.85,97.1 141.85,100.47 D_10.2
Net-(D_11-Pad2): length 54.5
  Top w0.25: D_11.2 155.7,100.32 155.7,99.22 157.72,97.2 166.47,97.2 168.37,95.3 184.32,95.3 185.62,94 188.16,94 189.78,92.38 199.24,92.38 201.56,90.06
Net-(D_12-Pad2): length 55.7
  Top w0.25: D_12.2 172.38,99.4 174.22,97.55 185.25,97.55 186.55,96.25 189.09,96.25 190.71,94.63 209.49,94.63 210.31,93.8 216.87,93.8 220.62,90.06
Net-(D_13-Pad2): length 61.4
  Top w0.25: 239.67,90.06 237.97,91.75 225.02,91.75 221.62,95.15 210.87,95.15 210.04,95.98 191.27,95.98 189.65,97.6 187.11,97.6 186.38,98.33 D_13.2
Net-(D_14-Pad2): length 67
  Top w0.25: D_14.2 213.1,103 211.6,101.5 211.6,99.6 212.45,98.75 223.35,98.75 226.75,95.35 243.85,95.35 250.45,88.75 255.98,88.75 257.28,90.06 268.24,90.06
Net-(D_15-Pad2): length 40.6
  Top w0.25: D_15.2 22.5,103.88 22.5,98.41 16.43,92.34 16.43,71.6
Net-(D_16-Pad2): length 39.8
  Top w0.25: D_16.2 42.5,104.12 42.5,101.23 39.64,98.37 K_16.2
Net-(D_17-Pad2): length 38.7
  Top w0.25: K_17.2 57.5,72.19 57.5,105.12 D_17.2
Net-(D_18-Pad2): length 41.2
  Top w0.25: D_18.2 71,104.62 71,100.77 77.74,94.03 77.74,92.76 K_18.2
Net-(D_19-Pad2): length 42.9
  Top w0.25: D_19.2 85.5,105.12 85.5,101.27 95.55,91.22 95.55,72.24 K_19.2
Net-(D_20-Pad2): length 45.1
  Top w0.25: K_20.2 113.59,73.25 113.59,89.98 99.35,104.22 99.35,104.97 D_20.2
Net-(D_21-Pad2): length 52.5
  Top w0.25: D_21.2 113.51,105.13 113.51,98.87 118.52,93.85 127.85,93.85 134.89,86.81 K_21.2
Net-(D_22-Pad2): length 57.2
  Top w0.25: K_22.2 152.1,72.85 152.1,86.97 145.52,93.55 130.69,93.55 128.27,95.97 128.27,105.89 D_22.2
Net-(D_23-Pad2): length 64.3
  Top w0.25: D_23.2 141.4,105.02 141.4,96.3 142.35,95.35 146.27,95.35 147.12,94.5 165.36,94.5 171.6,88.26 171.6,72.39 K_23.2
Net-(D_24-Pad2): length 69.5
  Top w0.25: D_24.2 155.25,104.87 155.25,99.04 157.54,96.75 166.29,96.75 168.19,94.85 184.14,94.85 185.44,93.55 187.98,93.55 190.6,90.93 190.6,72.44 K_24.2
Net-(D_25-Pad2): length 72
  Top w0.25: D_25.2 170,105.62 170,101.14 174.04,97.1 185.07,97.1 186.37,95.8 188.91,95.8 190.53,94.18 205.98,94.18 209.11,91.05 209.12,91.05 209.9,90.28 209.9,72.19 K_25.2
Net-(D_26-Pad2): length 76.4
  Top w0.25: D_26.2 183.38,105 183.38,100.7 186.93,97.15 189.46,97.15 191.09,95.53 209.86,95.53 210.68,94.7 221.44,94.7 228.5,87.64 228.5,72.64 K_26.2
Net-(D_27-Pad2): length 82
  Top w0.25: D_27.2 197.45,105.07 197.45,100.97 200.65,97.78 210.79,97.78 211.61,96.95 222.61,96.95 226.01,93.55 243.11,93.55 248,88.66 248,72.19 K_27.2
Net-(D_28-Pad2): length 93.7
  Top w0.25: D_28.2 211.1,104.65 211.1,99.37 212.17,98.3 223.17,98.3 226.56,94.9 243.66,94.9 250.26,88.3 251.07,88.3 266.49,72.89 273.61,72.89 275.53,70.97 K_28.2
Net-(D_29-Pad2): length 69.9
  Top w0.25: D_29.2 23.05,108.33 23.05,98.32 16.88,92.15 16.88,73.37 22.78,67.47 22.78,56.52 K_30.2
Net-(D_30-Pad2): length 82.1
  Top w0.25: D_30.2 42,108.62 42,101.36 39.19,98.55 39.19,78.46 28.9,68.17 28.9,54.8 31.75,51.95 K_31.2
Net-(D_31-Pad2): length 74.6
  Top w0.25: D_31.2 57,109.62 57,81.85 48.38,73.23 48.38,63.05 59.48,51.95 K_32.2
Net-(D_32-Pad2): length 79.9
  Top w0.25: D_32.2 70.5,109.12 70.5,100.64 77.29,93.85 77.29,81.72 66.49,70.92 66.49,62.36 76.89,51.95 K_33.2
Net-(D_33-Pad2): length 80.5
  Top w0.25: K_34.2 94.55,51.95 90.13,56.38 90.13,60.7 86.48,64.36 86.48,71.44 95.1,80.07 95.1,91.04 85,101.14 85,109.62 D_33.2
Net-(D_34-Pad2): length 82.4
  Top w0.25: D_34.2 98.9,109.52 98.9,104.03 113.14,89.79 113.14,83.18 105.02,75.05 105.02,60.44 113.5,51.95 K_35.2
Net-(D_35-Pad2): length 89.7
  Top w0.25: K_36.2 135.55,51.95 124.26,63.25 124.26,72.32 134.44,82.5 134.44,84.76 134.44,86.62 127.66,93.4 118.34,93.4 113.06,98.68 113.06,109.68 D_35.2
Net-(D_36-Pad2): length 93.6
  Top w0.25: D_36.2 127.82,110.44 127.82,95.78 130.5,93.1 145.33,93.1 151.65,86.79 151.65,80.49 143.05,71.89 143.05,62.59 153.68,51.95 K_37.2
Net-(D_37-Pad2): length 103.8
  Top w0.25: K_38.2 168.66,51.95 161.67,58.94 161.67,72.61 171.1,82.04 171.1,88.12 165.17,94.05 146.93,94.05 146.08,94.9 142.15,94.9 140.95,96.1 140.95,109.57 D_37.2
Net-(D_38-Pad2): length 107
  Top w0.25: D_38.2 154.8,109.42 154.8,98.85 157.35,96.3 166.1,96.3 168,94.4 183.95,94.4 185.25,93.1 187.79,93.1 190.1,90.79 190.1,80.68 181.02,71.6 181.02,61.57 190.64,51.95 K_39.2
Net-(D_39-Pad2): length 109.8
  Top w0.25: K_40.2 210.67,51.95 199.37,63.25 199.37,68.9 209.4,78.93 209.4,90.14 208.94,90.6 208.92,90.6 205.8,93.73 190.34,93.73 188.72,95.35 186.18,95.35 184.88,96.65 173.85,96.65 169.5,101 169.5,110.12 D_39.2
Net-(D_40-Pad2): length 113.8
  Top w0.25: K_41.2 228.17,51.95 219.48,60.65 219.48,72.1 228,80.62 228,87.5 221.25,94.25 210.5,94.25 209.67,95.08 190.9,95.08 189.28,96.7 186.74,96.7 182.93,100.51 182.93,109.55 D_40.2
Net-(D_41-Pad2): length 120.8
  Top w0.25: D_41.2 197,109.62 197,100.79 200.46,97.33 210.6,97.33 211.43,96.5 222.42,96.5 225.82,93.1 242.92,93.1 247.5,88.52 247.5,77.58 238.32,68.4 238.32,63.02 241.6,59.75 241.6,55.85 244.78,52.67 248.75,52.67 250.24,51.18 252.38,51.18 253.15,51.95
Net-(D_42-Pad2): length 104
  Top w0.25: K_29.2 265.84,57.04 K_43.2 261.1,65.63 261.1,77.64 250.89,87.85 250.08,87.85 243.48,94.45 226.38,94.45 222.98,97.85 211.99,97.85 210.65,99.19 210.65,109.27 D_42.2
Net-(D_43-Pad2): length 101.4
  Top w0.25: D_43.2 23.5,112.88 23.5,98.14 17.33,91.96 17.33,73.56 23.23,67.66 23.23,33.17
  Bottom w0.25: K_45.2 22.92,32.91
Net-(D_44-Pad2): length 94.7
  Top w0.25: K_46.2 34.88,35.67 27.55,43 27.55,68.72 37.84,79.01 37.84,96.36 33.9,100.3 33.9,116.48 D_44.2
Net-(D_45-Pad2): length 111.9
  Top w0.25: D_45.2 41.5,113.12 41.5,101.5 38.74,98.74 38.74,78.64 28.45,68.35 28.45,43.4 38.94,32.91 K_47.2
Net-(D_46-Pad2): length 105.8
  Top w0.25: K_48.2 64.12,32.91 52.01,45.02 52.01,58.79 47.93,62.87 47.93,73.41 56.5,81.98 56.5,114.12 D_46.2
Net-(D_47-Pad2): length 110.1
  Top w0.25: K_49.2 91.11,33.82 82.41,33.82 70.89,45.34 70.89,57.32 66.04,62.17 66.04,71.11 76.84,81.91 76.84,93.66 70,100.5 70,113.62 D_47.2
Net-(D_48-Pad2): length 110.4
  Top w0.25: D_48.2 84.5,114.12 84.5,101 94.65,90.85 94.65,80.25 86.03,71.63 86.03,64.17 89.68,60.52 89.68,44.82 101.6,32.91 K_50.2
Net-(D_49-Pad2): length 112.5
  Top w0.25: K_51.2 120.08,32.91 108.8,44.19 108.8,56.02 104.57,60.26 104.57,75.23 112.69,83.36 112.69,89.61 98.45,103.85 98.45,114.07 D_49.2
Net-(D_50-Pad2): length 120.9
  Top w0.25: K_52.2 140.39,32.91 128.8,44.5 128.8,58.08 123.81,63.07 123.81,72.5 133.99,82.69 133.99,86.44 127.47,92.95 118.15,92.95 112.6,98.5 112.6,114.22 D_50.2
Net-(D_51-Pad2): length 125.4
  Top w0.25: D_51.2 127.37,114.99 127.37,95.6 130.32,92.65 145.15,92.65 151.2,86.6 151.2,80.68 142.6,72.08 142.6,62.4 147.43,57.58 147.43,42.9 157.42,32.91 K_53.2
Net-(D_52-Pad2): length 132.4
  Top w0.25: D_52.2 140.5,114.12 140.5,95.91 141.96,94.45 145.89,94.45 146.74,93.6 164.99,93.6 170.6,87.99 170.6,82.17 161.22,72.8 161.22,58.75 166.32,53.65 166.32,44.28 177.69,32.91 K_54.2
Net-(D_53-Pad2): length 137.7
  Top w0.25: D_53.2 154.35,113.97 154.35,98.67 157.17,95.85 165.92,95.85 167.81,93.95 183.76,93.95 185.06,92.65 187.6,92.65 189.65,90.61 189.65,80.86 180.57,71.79 180.57,61.39 185.05,56.91 185.05,44.04 196.18,32.91 K_55.2
Net-(D_54-Pad2): length 140.6
  Top w0.25: D_54.2 169,114.62 169,100.87 173.67,96.2 184.69,96.2 185.99,94.9 188.53,94.9 190.16,93.28 205.61,93.28 208.74,90.15 208.75,90.15 208.95,89.95 208.95,79.11 198.92,69.09 198.92,63.06 204.17,57.81 204.17,44.84 216.11,32.91 K_56.2
Net-(D_55-Pad2): length 162.5
  Top w0.25: K_57.2 251.86,32.91 250.35,31.4 242.85,31.4 241.15,33.1 241.15,59.56 237.88,62.84 237.88,68.59 247.05,77.76 247.05,88.34 242.73,92.65 225.63,92.65 222.23,96.05 211.24,96.05 210.42,96.88 200.28,96.88 196.55,100.6 196.55,114.05 194.67,115.92 188.45,115.92 D_55.2
Net-(D_56-Pad2): length 122.9
  Top w0.25: D_56.2 24,117.38 24,98 17.78,91.78 17.78,73.75 23.67,67.85 23.67,38.25 26.35,35.58 26.35,32.05 23.6,29.3 23.6,24.01 K_58.2
Net-(D_57-Pad2): length 121.2
  Top w0.25: D_57.2 34,121.38 34,117.02 34.35,116.67 34.35,100.49 38.29,96.55 38.29,78.83 28,68.54 28,43.2 39.03,32.17 39.03,15.62 K_59.2
Net-(D_58-Pad2): length 120.1
  Top w0.25: K_60.2 61.07,35.32 51.56,44.83 51.56,58.6 47.48,62.68 47.48,73.6 56.05,82.17 56.05,118.67 D_58.2
Net-(D_59-Pad2): length 134
  Top w0.25: D_59.2 98,118.62 98,103.66 112.24,89.42 112.24,83.55 104.12,75.42 104.12,60.07 108.35,55.84 108.35,44 117.57,34.78 117.57,25.4 129.12,13.85 K_61.2
Net-(D_60-Pad2): length 155.2
  Top w0.25: D_60.2 153.9,118.52 153.9,98.48 156.98,95.4 165.73,95.4 167.63,93.5 183.58,93.5 184.88,92.2 187.42,92.2 189.2,90.42 189.2,81.05 180.12,71.97 180.12,61.2 184.6,56.72 184.6,43.85 194.02,34.42 194.02,23.78 K_62.2
Net-(D_61-Pad2): length 163.5
  Top w0.25: K_63.2 222.87,13.85 212.75,23.97 212.75,35.62 203.73,44.65 203.73,57.62 198.48,62.88 198.48,69.28 208.5,79.3 208.5,82.55 208.5,89.75 205.42,92.83 189.97,92.83 188.35,94.45 185.81,94.45 184.51,95.75 173.48,95.75 168.5,100.73 168.5,119.12 D_61.2
Net-(D_62-Pad2): length 177.6
  Top w0.25: D_62.2 183.54,120.16 183.54,117.02 185.08,115.48 194.48,115.48 196.1,113.86 196.1,100.42 200.09,96.43 210.23,96.43 211.06,95.6 222.05,95.6 225.45,92.2 242.55,92.2 246.6,88.15 246.6,77.95 237.4,68.75 237.4,62.67 240.7,59.38 240.7,18.7 245.55,13.85 K_64.2
Net-(D_63-Pad2): length 153.2
  Top w0.25: K_65.2 275.38,23.62 266.85,32.15 266.85,39.95 270.55,43.65 270.55,47.45 268.85,49.15 265.25,49.15 260.65,53.75 260.65,77.45 250.7,87.4 249.89,87.4 243.29,94 226.19,94 222.79,97.4 211.8,97.4 210.2,99 210.2,112.02 D_63.2
Net-(D_590-Pad2): length 126.8
  Top w0.25: K_610.2 92.03,18.55 98.57,25.1 98.57,35.29 89.23,44.63 89.23,60.33 85.58,63.99 85.58,71.81 94.2,80.44 94.2,90.66 84.04,100.83 84.04,105.58 84.05,105.59 84.05,118.66 D_590.2
Net-(D_591-Pad2): length 172.1
  Top w0.25: K_612.2 146.38,13.85 144.47,11.95 139.78,11.95 136.91,14.81 136.91,35.75 128.35,44.31 128.35,57.89 123.36,62.88 123.36,72.69 133.54,82.87 133.54,86.25 127.29,92.5 117.96,92.5 112.14,98.32 112.14,118.75 D_591.2

## Copper pours and planes (outline as drawn; the poured copper is in the pictures)
GND on Top: 283,0 0,0 0,126.6 283,126.6
GND on Bottom: 283,0 0,0 0,126.6 283,126.6

## Text on the board
B.Silkscreen: https://github.com/Envious-Data/Env-KB60F / Version: 1.0 | Parts Needed: / 70x 1n4148 Diodes / 2x  5.1K 1/4W resistors / 70x switches / 7x  2u MX stabilizers (or 1x6.25u + 4x 2u stabs) / 1x  Raspberry Pi Pico / 2x  1x20 Male and/or female headers / 10x M2 mounting hardware. / 1x Type-C-31-M-14 | http://github.com/envious-data/env-kb60f
F.Silkscreen: FIRMWARE | All diodes on this board have / the same orientation | Diodes will usually have a stripe on one side. / that side is the cathode side. | The Raspberry Pi Pico should / be soldered with the usb to the right | If you are using "5 Pin" switches / please ensure they are popped into / the PCB properly before soldering | RESET MCU | 5.1K | Env-KB60F / Rev-1.2
